# Altium PCB MB1397.PcbDoc (part 2 of 11) (continued)
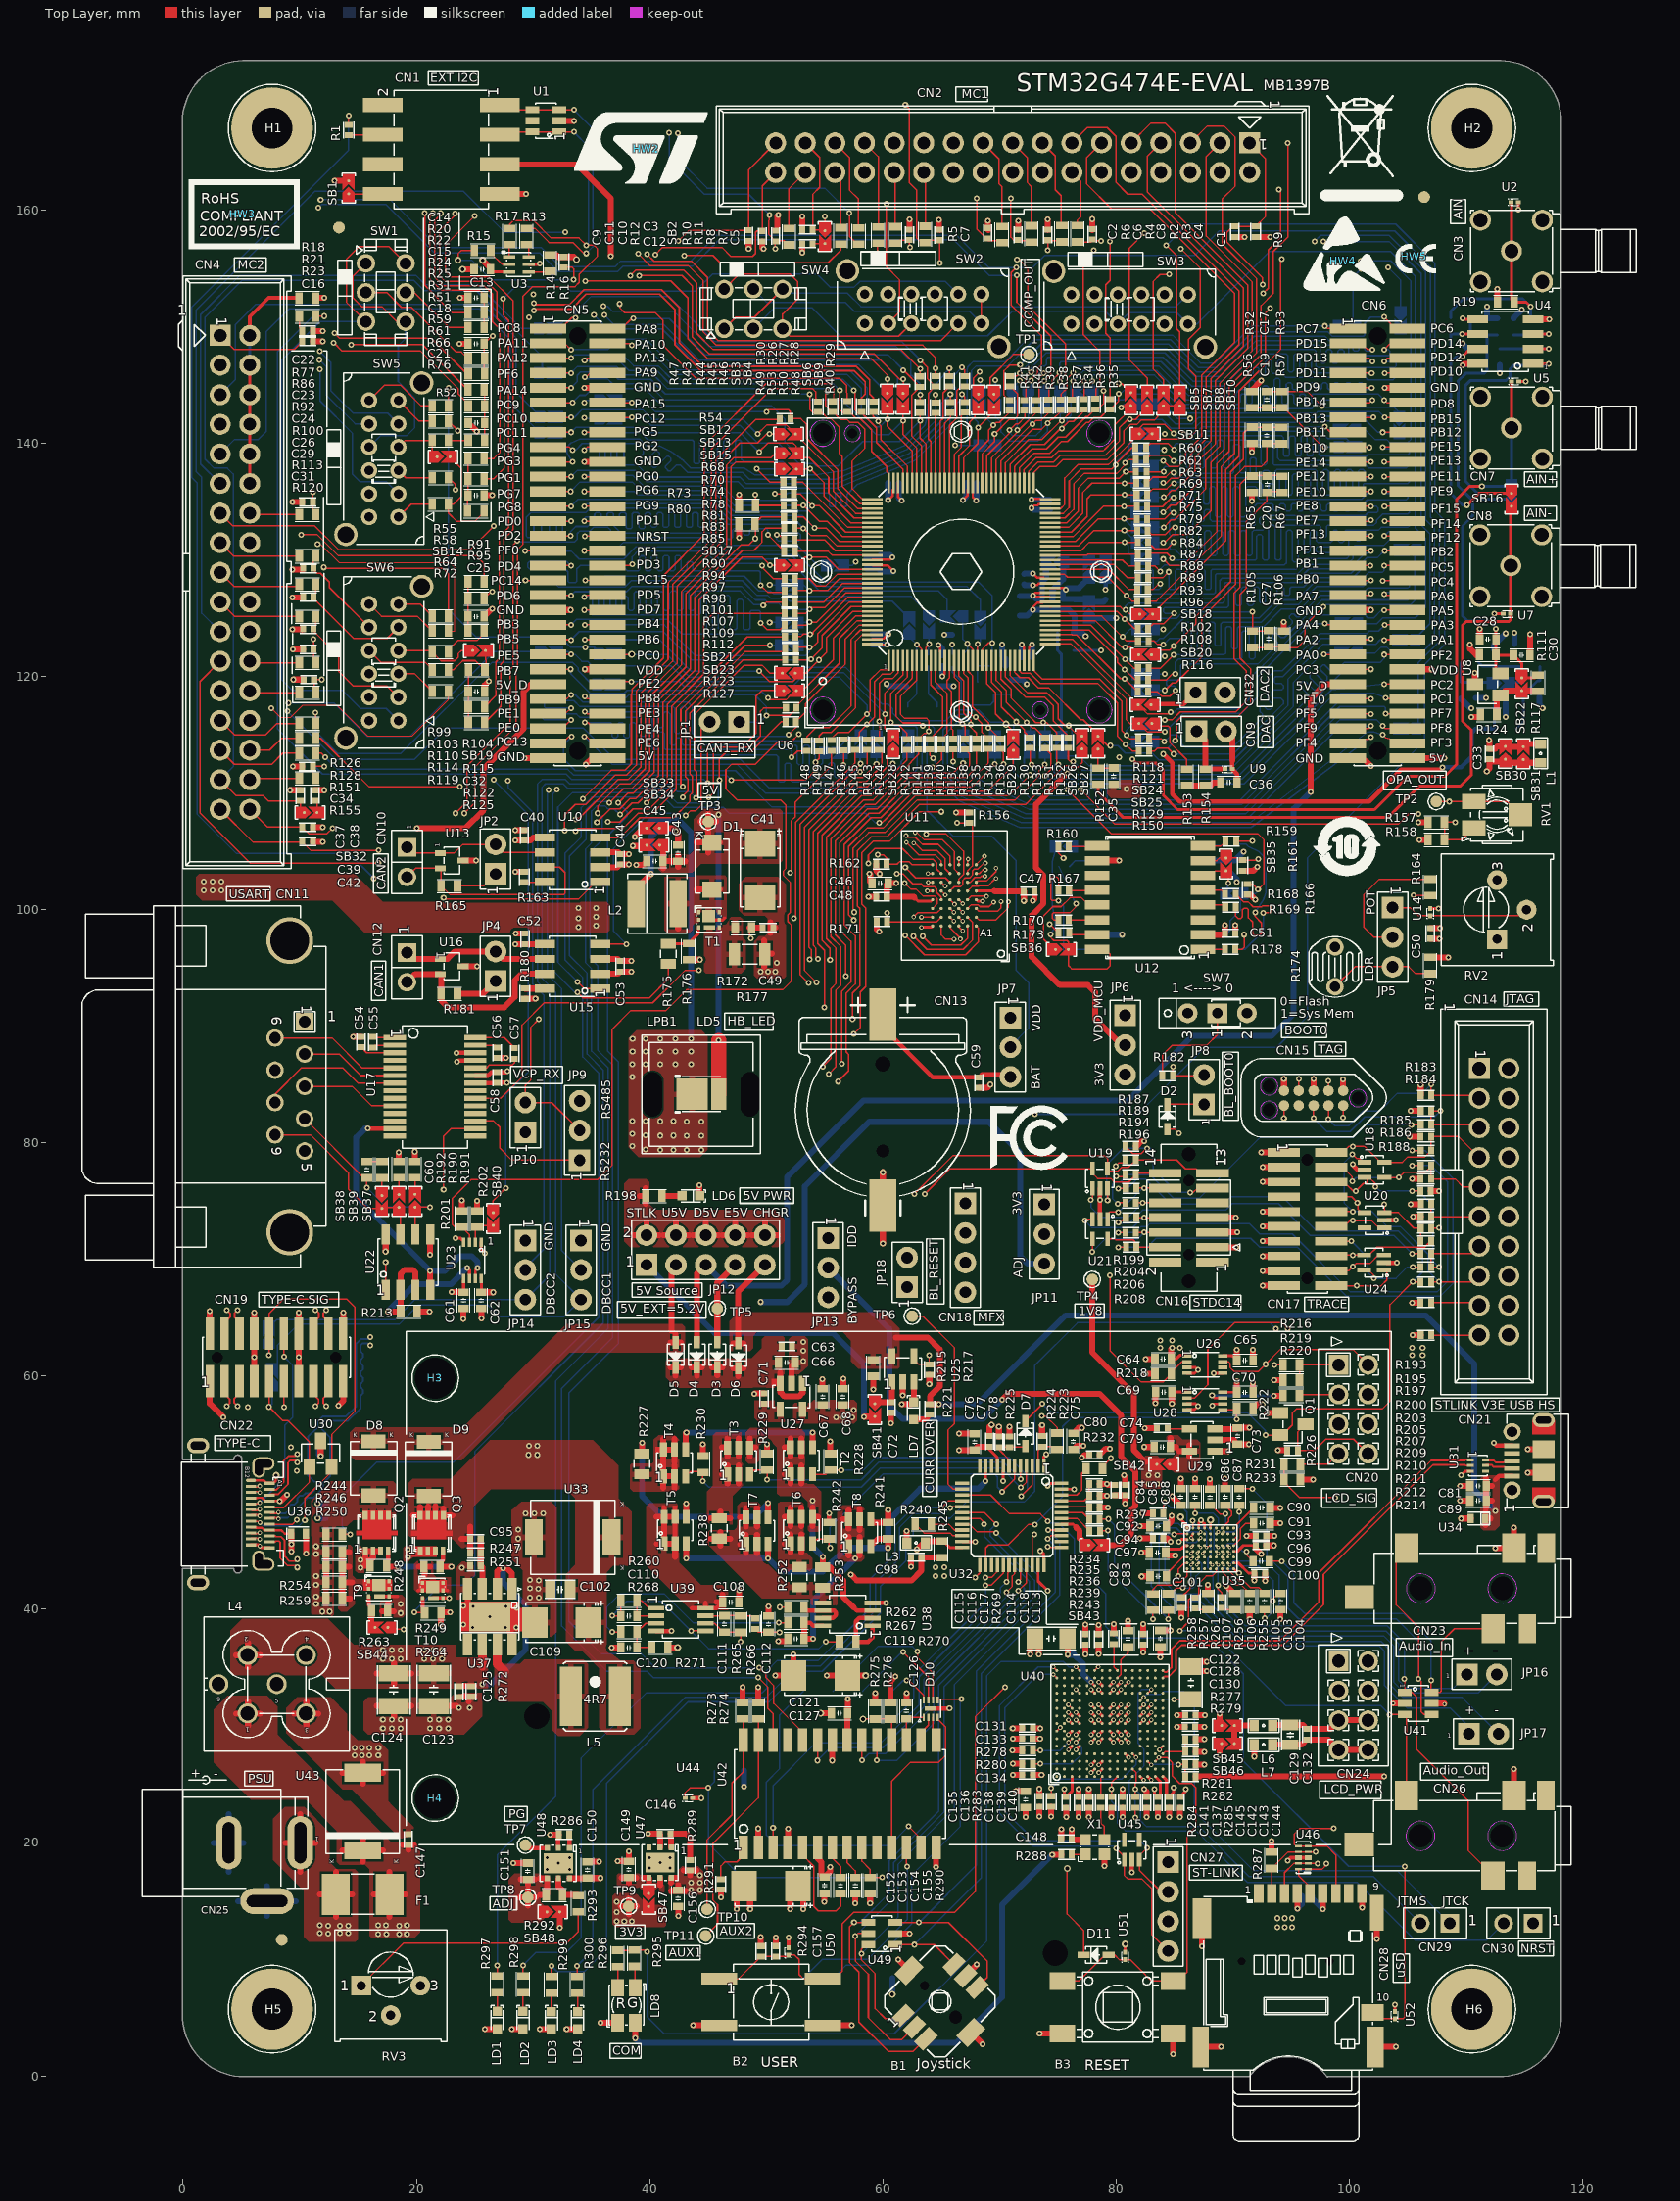
[diagram p0: Top Layer view]
## Footprints (in the part's own frame and the unit in brackets; to place one, negate y for a bottom-side part, rotate by r counter-clockwise, add the part's x,y. Pads: shape width x height; smd on the part's side, far side on the other; paste and mask are expansions set on the pad) (continued)
  silkscreen extent -6.35,-2.54 6.35,2.54, body extent -6.35,-2.54 6.35,2.55, height 8.38
CON_SOCKET-LCD_LYCN_216208S141 [mm]
  rect 1.7x1.7 hole 1.1 mask+0.05: 1(-3.81,-1.27)
  round 1.7 hole 1.1 mask+0.05: 2(-3.81,1.27) 3(-1.27,-1.27) 4(-1.27,1.27) 5(1.27,-1.27) 6(1.27,1.27) 7(3.81,-1.27) 8(3.81,1.27)
  silkscreen extent -6.2,-3 5.18,3, body extent -5.18,-3 5.18,3, height 7
CON_STDC14_Receiver_MEDIUM_WITH_MIPI10_3D [mm] "compatible with FTSH-105-01-L-DV,-K and FTSH-107-01-L-DV,-K,-A,-P,-ES"
  round 0 hole 1.19 unplated mask+0.05: 0(-5.445,0) 0(5.445,0)
  round 0 hole 0.97 unplated mask+0.05: 0(-3.175,0) 0(3.175,0)
  rect 0.74x2.79 smd mask+0.05: 1(-3.81,-2.032) 2(-3.81,2.032) 3(-2.54,-2.032) 4(-2.54,2.032) 5(-1.27,-2.032) 6(-1.27,2.032) 7(0,-2.032) 8(0,2.032) 9(1.27,-2.032) 10(1.27,2.032) 11(2.54,-2.032) 12(2.54,2.032) 13(3.81,-2.032) 14(3.81,2.032)
  silkscreen extent -6.3,-4.38 6.3,3.6, body extent -6.3,-2.92 6.3,2.92, height 6.6
CON_TAG-C_TC2050-IDC-NL [mm]
  round 0.9 smd paste+0 mask+0.05: 1(-2.54,-0.635) 2(-1.27,-0.635) 3(0,-0.635) 4(1.27,-0.635) 5(2.54,-0.635) 6(2.54,0.635) 7(1.27,0.635) 8(0,0.635) 9(-1.27,0.635) 10(-2.54,0.635)
  round 0 hole 1.1 unplated mask+0.05: 11(-3.81,0) 12(3.81,-1.015) 13(3.81,1.015)
  Multi-Layer keep-out circle w0.01: c-3.81,0 r0.75
  Multi-Layer keep-out circle w0.01: c3.81,1.015 r0.75
  Multi-Layer keep-out circle w0.01: c3.81,-1.015 r0.75
  silkscreen extent -6.22,-3.4 6.22,3.33, body extent -6.28,-3.46 6.28,3.39, height 13
CON_USB-TYPEC_LITKCONN-TECHNOLOGY_CNG008S130R [mm] "Doc Pin 1 = B12 et Doc Pin 13 = A1. The thickness of the pcb must be 0.8mm"
  rect 0.3x0.85 smd mask+0.05: A1(-2.645,7.58) A12(2.895,7.58) B1(2.645,5.98)
  rect 0.25x0.85 smd mask+0.05: A2(-2.125,7.58) A3(-1.625,7.58) A4(-1.125,7.58) A5(-0.625,7.58) A6(-0.125,7.58) A7(0.375,7.58) A8(0.875,7.58) A9(1.375,7.58) A10(1.875,7.58) A11(2.375,7.58) B2(2.125,5.98) B3(1.625,5.98) B4(1.125,5.98) B5(0.625,5.98) B6(0.125,5.98) B7(-0.375,5.98) B8(-0.875,5.98) B9(-1.375,5.98) B10(-1.875,5.98) B11(-2.375,5.98)
  oval 0.3x0.85 smd mask+0.05: B12(-2.895,5.98)
  oval 1.3x1.9 hole 0.7 slot 1.3 at 90 deg mask+0.05: PTH1(-5.875,1.45) PTH2(5.875,1.45)
  oval 1.1x1.9 hole 0.7 slot 1.5 at 90 deg mask+0.05: PTH3(-4.32,7.05) PTH5(4.32,7.05)
  oval 1.75x1.1 hole 0.7 slot 1.35 at 0 deg mask+0.05: PTH4(-3.995,6.65) PTH6(3.995,6.65)
  silkscreen extent -5.18,0 5.18,8.75, body extent -5.97,0 5.97,8.75, height 2.33
CON_USBMICROB_MOLEX_105017-0001_H2P90 [mm]
  rect 0.4x1.35 smd mask+0.05: 1(-1.3,4.15) 2(-0.65,4.15) 3(0,4.15) 4(0.65,4.15) 5(1.3,4.15)
  round 1.5 hole 0.9 mask+0.05: 6(-2.5,4.15) 7(2.5,4.15)
  oval 1.2x1.9 hole 0.6 slot 1.3 at 90 deg mask+0.05: 8(3.5,1.45) 9(-3.5,1.45)
  rect 1.5x1.9 smd mask+0.05: 10(-1,1.45) 11(1,1.45)
  Top Layer region: 2.3,2.4 3.5,2.4 3.5,0.5 2.3,0.5 2.3,2.4
  Top Layer region: -3.5,2.4 -2.3,2.4 -2.3,0.5 -3.5,0.5 -3.5,2.4
  silkscreen extent -4,-0.7 4,4.6, body extent -4.1,-1.15 4.1,4.66, height 2.9
CPOL_TAJ-C_2312_H2P6 [mm]
  rect 2.2x2.6 smd mask+0.05: 1(-2.3,0) 2(2.3,0)
  silkscreen extent -3.6,-1.85 3.1,1.85, body extent -3.1,-1.7 3.1,1.7, height 2.8
CRY_NX2016SA_4P [mm]
  rect 0.85x0.75 smd mask+0.05: 1(-0.675,-0.525) 2(0.675,-0.525) 3(0.675,0.525) 4(-0.675,0.525)
  silkscreen extent -1.22,-1.02 1.05,0.85, body extent -1.05,-0.85 1.05,0.85, height 0.7
CRY_NX3215SA_2P [mm]
  rect 1x1.8 smd mask+0.05: 1(-1.25,0) 2(1.25,0)
  silkscreen extent -0.63,-0.8 0.63,0.8, body extent -1.65,-0.8 1.65,0.8, height 0.9
DIO_SMA_1A_2K [mm]
  rect 1.4x1.64 smd mask+0.05: 1(2.015,0) 2(-2.015,0)
  silkscreen extent -2.3,-1.45 2.3,1.45, body extent -2.75,-1.45 2.75,1.45, height 2.7
DIO_SMB-FLAT_1A_2K [mm]
  rect 1.2x2.07 smd mask+0.05: 1(2.32,0) 2(-2.32,0)
  silkscreen extent -2.3,-2 2.3,2, body extent -2.3,-2 2.3,2, height 1.11
DIO_SMC_DO214-AB_1K_2A [mm]
  rect 1.54x3.14 smd mask+0.05: 1(-3.325,0) 2(3.325,0)
  silkscreen extent -3.6,-3.15 3.6,3.15, body extent -4.06,-3.15 4.07,3.15, height 2.66
DIO_SOD323 [mm]
  rect 1.06x0.54 smd mask+0.05: 1(-1.07,0) 2(1.07,0)
  silkscreen extent -0.9,-0.72 0.9,0.72, body extent -1.3,-0.78 1.3,0.78, height 1.17
DIO_SOT323 [mm]
  rect 0.5x0.95 smd mask+0.05: 1(-0.65,-0.975) 2(0.65,-0.975) 3(0,0.975)
  silkscreen extent -1.15,-0.67 1.15,0.67, body extent -1.15,-1.12 1.15,1.12, height 1.1
ESD_QFN2_1P6X1_P125 [mm]
  rect 0.55x0.8 smd mask+0.05: 1(-0.625,0) 2(0.625,0)
  silkscreen extent -1,-0.55 0.85,0.55, body extent -0.85,-0.55 0.85,0.55, height 0.61
ESD_QFN1610_2N_1K_2A [mm] "DFN, 2-Leads, Body 1.60x1.00mm"
  rect 0.55x0.9 smd mask+0.05: 1(-0.625,0) 2(0.625,0)
  silkscreen extent -1.02,-0.58 0.85,0.58, body extent -0.85,-0.55 0.85,0.55, height 0.6
ESD_QFN-6L_1P7X1P5_P050 [mm]
  rect 0.25x0.6 smd mask+0.05: 1(-0.5,-0.65) 2(0,-0.65) 3(0.5,-0.65) 4(0.5,0.65) 5(0,0.65) 6(-0.5,0.65)
  silkscreen extent -0.9,-0.8 0.9,0.8, body extent -0.9,-0.8 0.9,0.8, height 0.56
ESD_SOT23 [mm]
  rect 1x1.4 smd mask+0.05: 1(-0.95,-1.1) 2(0.95,-1.1) 3(0,1.1)
  silkscreen extent -1.63,-0.82 1.63,0.82, body extent -1.56,-1.5 1.56,1.5, height 1.4
ESD_SOT23-6L [mm]
  rect 0.6x1.2 smd mask+0.05: 1(-0.95,-1.15) 2(0,-1.15) 3(0.95,-1.15) 4(0.95,1.15) 5(0,1.15) 6(-0.95,1.15)
  silkscreen extent -1.53,-0.87 1.53,0.87, body extent -1.52,-1.5 1.52,1.5, height 1.45
ESD_SOT323-5L [mm]
  rect 0.4x1.2 smd mask+0.05: 1(-0.65,-0.85) 2(0,-0.85) 3(0.65,-0.85) 4(0.65,0.85) 5(-0.65,0.85)
  silkscreen extent -1.22,-1.21 1.22,0.77, body extent -1.15,-1.05 1.15,1.05, height 1.1
ESD_ST0201 [mm]
  rect 0.425x0.33 smd mask+0.05: 1(-0.312,0) 2(0.312,0)
  silkscreen extent -0.55,-0.3 0.33,0.3, body extent -0.34,-0.18 0.34,0.18, height 0.34
ESD_UQFN8-EPAD_1P7X1P5_P040 [mm]
  rect 0.2x0.6 smd mask+0.05: 1(-0.6,-0.75) 2(-0.2,-0.75) 3(0.2,-0.75) 4(0.6,-0.75) 5(0.6,0.75) 6(0.2,0.75) 7(-0.2,0.75) 8(-0.6,0.75)
  rect 1x0.4 smd mask+0.05: 9(0,0)
  silkscreen extent -1.07,-1.12 0.85,0.75, body extent -0.85,-0.75 0.85,0.75, height 0.61
ESD_UQFN-10L_2P5X1_P050 [mm]
  rect 0.2x0.58 smd mask+0.05: 1(-1,-0.41) 2(-0.5,-0.41) 4(0.5,-0.41) 5(1,-0.41) 6(1,0.41) 7(0.5,0.41) 9(-0.5,0.41) 10(-1,0.41)
  rect 0.4x0.58 smd mask+0.05: 3(0,-0.41) 8(0,0.41)
  silkscreen extent -1.38,-0.63 1.38,0.63, body extent -1.3,-0.55 1.3,0.55, height 0.51
FIL_MURATA_BNX002-01 [mm]
  round 1.7 hole 1.2 mask+0.05: 1(2.5,2.5) 2(2.5,-2.5) 3(-2.5,2.5) 4(-2.5,-2.5) 5(0,0) 6(5,0)
  silkscreen extent -6.24,-5.75 6.26,5.75, body extent -6.25,-5.75 6.25,5.75, height 13
ICC_DFN6-EPAD_3X3_P095 [mm]
  rect 0.45x0.5 smd mask+0.05: 1(-0.95,-1.3) 2(0,-1.3) 3(0.95,-1.3) 4(0.95,1.3) 5(0,1.3) 6(-0.95,1.3)
  rect 2.5x1.7 smd mask+0.05: EP(0,0)
  silkscreen extent -1.55,-1.55 1.55,1.55, body extent -1.55,-1.55 1.55,1.55, height 1
ICC_HSOP8-EPAD_3P90X4P90_P127 [mm]
  rect 1.85x0.8 smd mask+0.05: 1(-2.375,1.905) 2(-2.375,0.635) 3(-2.375,-0.635) 4(-2.375,-1.905) 5(2.375,-1.905) 6(2.375,-0.635) 7(2.375,0.635) 8(2.375,1.905)
  rect 2.5x3.5 smd mask+0.05: 9(0,0)
  silkscreen extent -2.5,-2.5 2,2.7, body extent -3.1,-2.5 3.1,2.5, height 1.75
ICC_LQFP48_7X7_P050 [mm]
  rect 0.3x1.2 smd mask+0.05: 1(-2.75,-4.25) 2(-2.25,-4.25) 3(-1.75,-4.25) 4(-1.25,-4.25) 5(-0.75,-4.25) 6(-0.25,-4.25) 7(0.25,-4.25) 8(0.75,-4.25) 9(1.25,-4.25) 10(1.75,-4.25) 11(2.25,-4.25) 12(2.75,-4.25) 25(2.75,4.25) 26(2.25,4.25) 27(1.75,4.25) 28(1.25,4.25) 29(0.75,4.25) 30(0.25,4.25) 31(-0.25,4.25) 32(-0.75,4.25) 33(-1.25,4.25) 34(-1.75,4.25) 35(-2.25,4.25) 36(-2.75,4.25)
  rect 1.2x0.3 smd mask+0.05: 13(4.25,-2.75) 14(4.25,-2.25) 15(4.25,-1.75) 16(4.25,-1.25) 17(4.25,-0.75) 18(4.25,-0.25) 19(4.25,0.25) 20(4.25,0.75) 21(4.25,1.25) 22(4.25,1.75) 23(4.25,2.25) 24(4.25,2.75) 37(-4.25,2.75) 38(-4.25,2.25) 39(-4.25,1.75) 40(-4.25,1.25) 41(-4.25,0.75) 42(-4.25,0.25) 43(-4.25,-0.25) 44(-4.25,-0.75) 45(-4.25,-1.25) 46(-4.25,-1.75) 47(-4.25,-2.25) 48(-4.25,-2.75)
  silkscreen extent -3.52,-3.52 3.52,3.52, body extent -4.5,-4.5 4.5,4.5, height 1.6
ICC_LQFP128_14X14_P040_SOCKET_IRONWOOD_SG-QFE-7011MF [mm]
  rect 1.78x0.225 smd mask+0.038: 1(-7.62,6.2) 2(-7.62,5.8) 3(-7.62,5.4) 4(-7.62,5) 5(-7.62,4.6) 6(-7.62,4.2) 7(-7.62,3.8) 8(-7.62,3.4) 9(-7.62,3) 10(-7.62,2.6) 11(-7.62,2.2) 12(-7.62,1.8) 13(-7.62,1.4) 14(-7.62,1) 15(-7.62,0.6) 16(-7.62,0.2) 17(-7.62,-0.2) 18(-7.62,-0.6) 19(-7.62,-1) 20(-7.62,-1.4) 21(-7.62,-1.8) 22(-7.62,-2.2) 23(-7.62,-2.6) 24(-7.62,-3) 25(-7.62,-3.4) 26(-7.62,-3.8) 27(-7.62,-4.2) 28(-7.62,-4.6) 29(-7.62,-5) 30(-7.62,-5.4) 31(-7.62,-5.8) 32(-7.62,-6.2) 65(7.62,-6.2) 66(7.62,-5.8) 67(7.62,-5.4) 68(7.62,-5) 69(7.62,-4.6) 70(7.62,-4.2) 71(7.62,-3.8) 72(7.62,-3.4) 73(7.62,-3) 74(7.62,-2.6) 75(7.62,-2.2) 76(7.62,-1.8) 77(7.62,-1.4) 78(7.62,-1) 79(7.62,-0.6) 80(7.62,-0.2) 81(7.62,0.2) 82(7.62,0.6) 83(7.62,1) 84(7.62,1.4) 85(7.62,1.8) 86(7.62,2.2) 87(7.62,2.6) 88(7.62,3) 89(7.62,3.4) 90(7.62,3.8) 91(7.62,4.2) 92(7.62,4.6) 93(7.62,5) 94(7.62,5.4) 95(7.62,5.8) 96(7.62,6.2)
  rect 0.225x1.78 smd mask+0.038: 33(-6.2,-7.62) 34(-5.8,-7.62) 35(-5.4,-7.62) 36(-5,-7.62) 37(-4.6,-7.62) 38(-4.2,-7.62) 39(-3.8,-7.62) 40(-3.4,-7.62) 41(-3,-7.62) 42(-2.6,-7.62) 43(-2.2,-7.62) 44(-1.8,-7.62) 45(-1.4,-7.62) 46(-1,-7.62) 47(-0.6,-7.62) 48(-0.2,-7.62) 49(0.2,-7.62) 50(0.6,-7.62) 51(1,-7.62) 52(1.4,-7.62) 53(1.8,-7.62) 54(2.2,-7.62) 55(2.6,-7.62) 56(3,-7.62) 57(3.4,-7.62) 58(3.8,-7.62) 59(4.2,-7.62) 60(4.6,-7.62) 61(5,-7.62) 62(5.4,-7.62) 63(5.8,-7.62) 64(6.2,-7.62) 97(6.2,7.62) 98(5.8,7.62) 99(5.4,7.62) 100(5,7.62) 101(4.6,7.62) 102(4.2,7.62) 103(3.8,7.62) 104(3.4,7.62) 105(3,7.62) 106(2.6,7.62) 107(2.2,7.62) 108(1.8,7.62) 109(1.4,7.62) 110(1,7.62) 111(0.6,7.62) 112(0.2,7.62) 113(-0.2,7.62) 114(-0.6,7.62) 115(-1,7.62) 116(-1.4,7.62) 117(-1.8,7.62) 118(-2.2,7.62) 119(-2.6,7.62) 120(-3,7.62) 121(-3.4,7.62) 122(-3.8,7.62) 123(-4.2,7.62) 124(-4.6,7.62) 125(-5,7.62) 126(-5.4,7.62) 127(-5.8,7.62) 128(-6.2,7.62)
  round 0 hole 1.71 unplated mask+0.05: NPTH1(-11.86,11.86) NPTH2(11.86,11.86) NPTH3(11.86,-11.86) NPTH4(-11.86,-11.86)
  round 0 hole 0.85 unplated mask+0.05: NPTH5(-11.86,-6.78) NPTH6(11.86,9.32)
  Bottom Layer keep-out circle w0.01: c-11.86,11.86 r2.5
  Bottom Layer keep-out circle w0.01: c11.865,11.86 r2.5
  Bottom Layer keep-out circle w0.01: c11.86,-11.86 r2.5
  Bottom Layer keep-out circle w0.01: c-11.86,-11.86 r2.5
  Keep-Out Layer circle w0.01: c11.86,9.32 r0.7
  Keep-Out Layer circle w0.01: c-11.86,11.86 r1.1
  Keep-Out Layer circle w0.01: c11.86,11.86 r1.1
  Keep-Out Layer circle w0.01: c11.86,-11.86 r1.1
  Keep-Out Layer circle w0.01: c-11.86,-11.86 r1.1
  Keep-Out Layer circle w0.01: c-11.86,-6.78 r0.7
  silkscreen extent -13.18,-13.18 13.18,13.18, body extent -14.36,-14.36 14.36,14.36, height 9.86
ICC_MINI-BGA48_9X11_P075 [mm] "IPC"
  round 0.28 smd mask+0.05: A1(-1.875,2.625) A2(-1.125,2.625) A3(-0.375,2.625) A4(0.375,2.625) A5(1.125,2.625) A6(1.875,2.625) B1(-1.875,1.875) B2(-1.125,1.875) B3(-0.375,1.875) B4(0.375,1.875) B5(1.125,1.875) B6(1.875,1.875) C1(-1.875,1.125) C2(-1.125,1.125) C3(-0.375,1.125) C4(0.375,1.125) C5(1.125,1.125) C6(1.875,1.125) D1(-1.875,0.375) D2(-1.125,0.375) D3(-0.375,0.375) D4(0.375,0.375) D5(1.125,0.375) D6(1.875,0.375) E1(-1.875,-0.375) E2(-1.125,-0.375) E3(-0.375,-0.375) E4(0.375,-0.375) E5(1.125,-0.375) E6(1.875,-0.375) F1(-1.875,-1.125) F2(-1.125,-1.125) F3(-0.375,-1.125) F4(0.375,-1.125) F5(1.125,-1.125) F6(1.875,-1.125) G1(-1.875,-1.875) G2(-1.125,-1.875) G3(-0.375,-1.875) G4(0.375,-1.875) G5(1.125,-1.875) G6(1.875,-1.875) H1(-1.875,-2.625) H2(-1.125,-2.625) H3(-0.375,-2.625) H4(0.375,-2.625) H5(1.125,-2.625) H6(1.875,-2.625)
  silkscreen extent -4.7,-5.55 4.55,5.7, body extent -4.55,-5.55 4.55,5.55, height 1.21
ICC_MINISO8_3X3_P065 [mm]
  rect 0.4x1.4 smd mask+0.05: 1(0.975,2.125) 2(0.325,2.125) 3(-0.325,2.125) 4(-0.975,2.125) 5(-0.975,-2.125) 6(-0.325,-2.125) 7(0.325,-2.125) 8(0.975,-2.125)
  silkscreen extent -1.6,-1.55 1.6,1.55, body extent -1.6,-2.58 1.6,2.58, height 1.11
ICC_SO8_5X4_P127 [mm]
  rect 0.7x1.75 smd mask+0.05: 1(-1.905,-2.375) 2(-0.635,-2.375) 3(0.635,-2.375) 4(1.905,-2.375) 5(1.905,2.375) 6(0.635,2.375) 7(-0.635,2.375) 8(-1.905,2.375)
  silkscreen extent -2.58,-2 2.58,2, body extent -2.57,-3 2.57,3, height 1.75
ICC_SO28_18P10X7P60_P127 [mm]
  rect 0.8x2.02 smd mask+0.05: 1(-8.255,-4.59) 2(-6.985,-4.59) 3(-5.715,-4.59) 4(-4.445,-4.59) 5(-3.175,-4.59) 6(-1.905,-4.59) 7(-0.635,-4.59) 8(0.635,-4.59) 9(1.905,-4.59) 10(3.175,-4.59) 11(4.445,-4.59) 12(5.715,-4.59) 13(6.985,-4.59) 14(8.255,-4.59) 15(8.255,4.59) 16(6.985,4.59) 17(5.715,4.59) 18(4.445,4.59) 19(3.175,4.59) 20(1.905,4.59) 21(0.635,4.59) 22(-0.635,4.59) 23(-1.905,4.59) 24(-3.175,4.59) 25(-4.445,4.59) 26(-5.715,4.59) 27(-6.985,4.59) 28(-8.255,4.59)
  silkscreen extent -9.05,-3.8 9.05,3.8, body extent -9.05,-5.16 9.05,5.16, height 2.65
ICC_SOP2-SF_16P_10P3X7P5_P127 [mm]
  rect 0.8x2.1 smd mask+0.05: 1(-4.445,-4.55) 2(-3.175,-4.55) 3(-1.905,-4.55) 4(-0.635,-4.55) 5(0.635,-4.55) 6(1.905,-4.55) 7(3.175,-4.55) 8(4.445,-4.55) 9(4.445,4.55) 10(3.175,4.55) 11(1.905,4.55) 12(0.635,4.55) 13(-0.635,4.55) 14(-1.905,4.55) 15(-3.175,4.55) 16(-4.445,4.55)
  silkscreen extent -5.25,-3.8 5.25,3.8, body extent -5.25,-5.35 5.25,5.35, height 2.66
ICC_SOT23-3L_H1P12 [mm]
  rect 1x1.4 smd mask+0.05: 1(-0.95,-1.1) 2(0.95,-1.1) 3(0,1.1)
  silkscreen extent -1.63,-0.82 1.63,0.82, body extent -1.56,-1.25 1.56,1.25, height 1.12
ICC_SOT23-5L_H1P45 [mm]
  rect 0.6x1.3 smd mask+0.05: 1(-0.95,-1.1) 2(0,-1.1) 3(0.95,-1.1) 4(0.95,1.1) 5(-0.95,1.1)
  silkscreen extent -1.75,-1.68 1.6,0.97, body extent -1.52,-1.25 1.52,1.25, height 1.45
ICC_SSOP28_10P2X5P3_P065 [mm]
  rect 0.45x1.9 smd mask+0.05: 1(-4.225,-3.45) 2(-3.575,-3.45) 3(-2.925,-3.45) 4(-2.275,-3.45) 5(-1.625,-3.45) 6(-0.975,-3.45) 7(-0.325,-3.45) 8(0.325,-3.45) 9(0.975,-3.45) 10(1.625,-3.45) 11(2.275,-3.45) 12(2.925,-3.45) 13(3.575,-3.45) 14(4.225,-3.45) 15(4.225,3.45) 16(3.575,3.45) 17(2.925,3.45) 18(2.275,3.45) 19(1.625,3.45) 20(0.975,3.45) 21(0.325,3.45) 22(-0.325,3.45) 23(-0.975,3.45) 24(-1.625,3.45) 25(-2.275,3.45) 26(-2.925,3.45) 27(-3.575,3.45) 28(-4.225,3.45)
  silkscreen extent -5.25,-2.8 5.25,2.8, body extent -5.25,-3.9 5.25,3.9, height 2
ICC_UDFN6_2X2_P065 [mm] "MCD-01551"
  rect 0.3x1.05 smd mask+0.05: 1(-0.65,-0.85) 2(0,-0.85) 3(0.65,-0.85) 4(0.65,0.85) 5(0,0.85) 6(-0.65,0.85)
  silkscreen extent -1.15,-1.45 1.02,1.02, body extent -1.03,-1.03 1.02,1.02, height 0.56
ICC_UFBGA201_176+25_10X10_P065 [mm] "IPC"
  round 0.25 smd mask+0.05: A1(-4.55,4.55) A2(-3.9,4.55) A3(-3.25,4.55) A4(-2.6,4.55) A5(-1.95,4.55) A6(-1.3,4.55) A7(-0.65,4.55) A8(0,4.55) A9(0.65,4.55) A10(1.3,4.55) A11(1.95,4.55) A12(2.6,4.55) A13(3.25,4.55) A14(3.9,4.55) A15(4.55,4.55) B1(-4.55,3.9) B2(-3.9,3.9) B3(-3.25,3.9) B4(-2.6,3.9) B5(-1.95,3.9) B6(-1.3,3.9) B7(-0.65,3.9) B8(0,3.9) B9(0.65,3.9) B10(1.3,3.9) B11(1.95,3.9) B12(2.6,3.9) B13(3.25,3.9) B14(3.9,3.9) B15(4.55,3.9) C1(-4.55,3.25) C2(-3.9,3.25) C3(-3.25,3.25) C4(-2.6,3.25) C5(-1.95,3.25) C6(-1.3,3.25) C7(-0.65,3.25) C8(0,3.25) C9(0.65,3.25) C10(1.3,3.25) C11(1.95,3.25) C12(2.6,3.25) C13(3.25,3.25) C14(3.9,3.25) C15(4.55,3.25) D1(-4.55,2.6) D2(-3.9,2.6) D3(-3.25,2.6) D4(-2.6,2.6) D5(-1.95,2.6) D6(-1.3,2.6) D7(-0.65,2.6) D8(0,2.6) D9(0.65,2.6) D10(1.3,2.6) D11(1.95,2.6) D12(2.6,2.6) D13(3.25,2.6) D14(3.9,2.6) D15(4.55,2.6) E1(-4.55,1.95) E2(-3.9,1.95) E3(-3.25,1.95) E4(-2.6,1.95) E12(2.6,1.95) E13(3.25,1.95) E14(3.9,1.95) E15(4.55,1.95) F1(-4.55,1.3) F2(-3.9,1.3) F3(-3.25,1.3) F4(-2.6,1.3) F6(-1.3,1.3) F7(-0.65,1.3) F8(0,1.3) F9(0.65,1.3) F10(1.3,1.3) F12(2.6,1.3) F13(3.25,1.3) F14(3.9,1.3) F15(4.55,1.3) G1(-4.55,0.65) G2(-3.9,0.65) G3(-3.25,0.65) G4(-2.6,0.65) G6(-1.3,0.65) G7(-0.65,0.65) G8(0,0.65) G9(0.65,0.65) G10(1.3,0.65) G12(2.6,0.65) G13(3.25,0.65) G14(3.9,0.65) G15(4.55,0.65) H1(-4.55,0) H2(-3.9,0) H3(-3.25,0) H4(-2.6,0) H6(-1.3,0) H7(-0.65,0) H8(0,0) H9(0.65,0) H10(1.3,0) H12(2.6,0) H13(3.25,0) H14(3.9,0) H15(4.55,0) J1(-4.55,-0.65) J2(-3.9,-0.65) J3(-3.25,-0.65) J4(-2.6,-0.65) J6(-1.3,-0.65) J7(-0.65,-0.65) J8(0,-0.65) J9(0.65,-0.65) J10(1.3,-0.65) J12(2.6,-0.65) J13(3.25,-0.65) J14(3.9,-0.65) J15(4.55,-0.65) K1(-4.55,-1.3) K2(-3.9,-1.3) K3(-3.25,-1.3) K4(-2.6,-1.3) K6(-1.3,-1.3) K7(-0.65,-1.3) K8(0,-1.3) K9(0.65,-1.3) K10(1.3,-1.3) K12(2.6,-1.3) K13(3.25,-1.3) K14(3.9,-1.3) K15(4.55,-1.3) L1(-4.55,-1.95) L2(-3.9,-1.95) L3(-3.25,-1.95) L4(-2.6,-1.95) L12(2.6,-1.95) L13(3.25,-1.95) L14(3.9,-1.95) L15(4.55,-1.95) M1(-4.55,-2.6) M2(-3.9,-2.6) M3(-3.25,-2.6) M4(-2.6,-2.6) M5(-1.95,-2.6) M6(-1.3,-2.6) M7(-0.65,-2.6) M8(0,-2.6) M9(0.65,-2.6) M10(1.3,-2.6) M11(1.95,-2.6) M12(2.6,-2.6) M13(3.25,-2.6) M14(3.9,-2.6) M15(4.55,-2.6) N1(-4.55,-3.25) N2(-3.9,-3.25) N3(-3.25,-3.25) N4(-2.6,-3.25) N5(-1.95,-3.25) N6(-1.3,-3.25) N7(-0.65,-3.25) N8(0,-3.25) N9(0.65,-3.25) N10(1.3,-3.25) N11(1.95,-3.25) N12(2.6,-3.25) N13(3.25,-3.25) N14(3.9,-3.25) N15(4.55,-3.25) P1(-4.55,-3.9) P2(-3.9,-3.9) P3(-3.25,-3.9) P4(-2.6,-3.9) P5(-1.95,-3.9) P6(-1.3,-3.9) P7(-0.65,-3.9) P8(0,-3.9) P9(0.65,-3.9) P10(1.3,-3.9) P11(1.95,-3.9) P12(2.6,-3.9) P13(3.25,-3.9) P14(3.9,-3.9) P15(4.55,-3.9) R1(-4.55,-4.55) R2(-3.9,-4.55) R3(-3.25,-4.55) R4(-2.6,-4.55) R5(-1.95,-4.55) R6(-1.3,-4.55) R7(-0.65,-4.55) R8(0,-4.55) R9(0.65,-4.55) R10(1.3,-4.55) R11(1.95,-4.55) R12(2.6,-4.55) R13(3.25,-4.55) R14(3.9,-4.55) R15(4.55,-4.55)
  silkscreen extent -5.22,-5.07 5.07,5.23, body extent -5.07,-5.07 5.07,5.07, height 0.61
ICC_VSSOP8_DCU_R-PDSO-G8_2X2P30_P050 [mm]
  rect 0.3x0.8 smd mask+0.05: 1(-0.75,-1.55) 2(-0.25,-1.55) 3(0.25,-1.55) 4(0.75,-1.55) 5(0.75,1.55) 6(0.25,1.55) 7(-0.25,1.55) 8(-0.75,1.55)
  silkscreen extent -1.05,-1.2 1.05,1.2, body extent -1.05,-1.62 1.05,1.62, height 0.9
ICC_W-CSP-BGA72_4P511X4P023_P050 [mm]
  round 0.25 smd mask+0.05: A1(-2,1.75) A2(-1.5,1.75) A3(-1,1.75) A4(-0.5,1.75) A5(0,1.75) A6(0.5,1.75) A7(1,1.75) A8(1.5,1.75) A9(2,1.75) B1(-2,1.25) B2(-1.5,1.25) B3(-1,1.25) B4(-0.5,1.25) B5(0,1.25) B6(0.5,1.25) B7(1,1.25) B8(1.5,1.25) B9(2,1.25) C1(-2,0.75) C2(-1.5,0.75) C3(-1,0.75) C4(-0.5,0.75) C5(0,0.75) C6(0.5,0.75) C7(1,0.75) C8(1.5,0.75) C9(2,0.75) D1(-2,0.25) D2(-1.5,0.25) D3(-1,0.25) D4(-0.5,0.25) D5(0,0.25) D6(0.5,0.25) D7(1,0.25) D8(1.5,0.25) D9(2,0.25) E1(-2,-0.25) E2(-1.5,-0.25) E3(-1,-0.25) E4(-0.5,-0.25) E5(0,-0.25) E6(0.5,-0.25) E7(1,-0.25) E8(1.5,-0.25) E9(2,-0.25) F1(-2,-0.75) F2(-1.5,-0.75) F3(-1,-0.75) F4(-0.5,-0.75) F5(0,-0.75) F6(0.5,-0.75) F7(1,-0.75) F8(1.5,-0.75) F9(2,-0.75) G1(-2,-1.25) G2(-1.5,-1.25) G3(-1,-1.25) G4(-0.5,-1.25) G5(0,-1.25) G6(0.5,-1.25) G7(1,-1.25) G8(1.5,-1.25) G9(2,-1.25) H1(-2,-1.75) H2(-1.5,-1.75) H3(-1,-1.75) H4(-0.5,-1.75) H5(0,-1.75) H6(0.5,-1.75) H7(1,-1.75) H8(1.5,-1.75) H9(2,-1.75)
  silkscreen extent -2.42,-2.03 2.28,2.17, body extent -2.28,-2.04 2.28,2.04, height 0.78
IND_POWER_CYNTEC_PSI054T [mm]
  rect 1.5x4 smd mask+0.05: 1(-1.8,0) 2(1.8,0)
  silkscreen extent -2.55,-2.55 2.55,2.55, body extent -2.55,-2.55 2.55,2.55, height 4
IND_TDK_VLS6045EX-4R7M [mm]
  rect 1.9x5.1 smd mask+0.05: 1(-2.1,0) 2(2.1,0)
  silkscreen extent -2.75,-3 2.75,3, body extent -3,-3 3,3, height 4.51
L0603 [mm]
  rect 0.8x0.95 smd mask+0.05: 1(-0.8,0) 2(0.8,0)
  silkscreen extent -1.33,-0.6 1.33,0.6, body extent -0.87,-0.47 0.87,0.47, height 0.95
LED_0603_OSRAM_LB-Q39G-L2OO-35-1_BLUE_1A2K_H0P4 [mm]
  rect 0.8x0.8 smd mask+0.05: 1(-0.75,0) 2(0.75,0)
  silkscreen extent -0.85,-0.53 1.28,0.53, body extent -0.85,-0.45 0.85,0.45, height 0.6
LED_0603_OSRAM_LG-Q396-PS-35_GREEN_1A2K_H0P4 [mm]
  rect 0.8x0.8 smd mask+0.05: 1(-0.75,0) 2(0.75,0)
  silkscreen extent -0.85,-0.53 1.28,0.53, body extent -0.85,-0.45 0.85,0.45, height 0.6
LED_0603_OSRAM_LO-Q976-PS-25_ORANGE_1A2K_H0P8 [mm]
  rect 0.8x0.8 smd mask+0.05: 1(-0.75,0) 2(0.75,0)
  silkscreen extent -0.85,-0.53 1.28,0.53, body extent -0.85,-0.45 0.85,0.45, height 0.8
LED_0603_VISHAY_VLMS1300-GS08_RED_1A2K_H0P8 [mm]
  rect 0.8x0.8 smd mask+0.05: 1(-0.75,0) 2(0.75,0)
  silkscreen extent -0.85,-0.53 1.28,0.53, body extent -0.85,-0.45 0.85,0.45, height 0.8
LED_BI-GR_HSMF-A201-A00J1 [mm]
  rect 1.1x1.5 smd mask+0.05: 1(-0.75,-1.5) 2(-0.75,1.5) 3(0.75,1.5) 4(0.75,-1.5)
  silkscreen extent -1.65,-1.85 1.65,1.85, body extent -1.5,-1.85 1.5,1.85, height 2.1
LED_EVERLUCK_CWC12100_WHITE_1A2K [mm] "BOTTOM PLACE"
  rect 1.3x2.7 smd mask+0.05: 1(1.5,0)
  rect 2.7x2.7 smd mask+0.05: 2(-0.8,0)
  silkscreen extent -2.22,-1.63 1.65,1.62, body extent -1.75,-1.5 1.75,1.5, height 2.5
LIGHT_10MM-SQUARE-LIGHT-BAR_LUMEX_LPB-S01110101S-110945 [mm]
  round 0 hole 1.6 slot 3.8 at 90 deg unplated mask+0.05: NPTH1(-4.18,0) NPTH2(4.18,0)
  silkscreen extent -5.08,-5.08 5.08,5.08, body extent -5.08,-5.08 5.08,5.08, height 10.3
LOGO_CE [mm]
  silkscreen extent -1.61,-1.37 1.85,1.07
LOGO_MAIN_1 [mm]
  silkscreen extent -3.36,-2.51 3.52,3.76
LOGO_ROHS [mm]
  silkscreen extent -4.63,-3.03 4.87,2.98
LOGO_ST [mm]
  silkscreen extent -6.18,-2.95 5.25,3.14
MOS_POWERFLAT_2X2_P065 [mm] "MCD-01028  PowerFLAT, 6-Leads, Body 2.1x2.1mm"
  rect 0.35x0.3 smd mask+0.038: 1(-0.65,-0.875) 2(0,-0.875)
  rect 0.35x0.3 smd mask+0.05: 3(0.65,-0.875) 4(0.65,0.875) 5(0,0.875) 6(-0.65,0.875)
  rect 0.35x0.95 smd mask+0.05: 7(0.65,0.05)
  rect 1.05x1.125 smd mask+0.038: 8(-0.3,-0.012)
  silkscreen extent -1.2,-1.2 1.05,1.05, body extent -1.05,-1.05 1.05,1.05, height 0.81
MOS_POWERFLAT_3P3X3P3_P065 [mm]
  rect 0.4x0.75 smd mask+0.05: 1(-0.975,-1.525) 2(-0.325,-1.525) 3(0.325,-1.525) 4(0.975,-1.525) 6(0.325,1.525) 7(-0.325,1.525)
  rect 0.45x0.75 smd mask+0.05: 5(1,1.525) 8(-1,1.525)
  Top Layer region: -1.755,0.2 -1.755,-0.2 -1.225,-0.2 -1.225,-0.5 1.225,-0.5 1.225,-0.2 1.755,-0.2 1.755,0.2 1.225,0.2 1.225,1.9 -1.225,1.9 -1.225,0.2
  silkscreen extent -1.63,-1.55 1.63,1.55, body extent -1.75,-1.75 1.75,1.75, height 0.91
MOS_SOT23 [mm]
  rect 1x1.4 smd mask+0.05: 1(-0.95,-1.1) 2(0.95,-1.1) 3(0,1.1)
  silkscreen extent -1.63,-0.82 1.63,0.82, body extent -1.56,-1.25 1.56,1.25, height 1.1
MOS_SOT23-5L [mm]
  rect 0.6x1.3 smd mask+0.05: 1(-0.95,-1.1) 2(0,-1.1) 3(0.95,-1.1) 4(0.95,1.1) 5(-0.95,1.1)
  silkscreen extent -1.6,-0.95 1.6,0.97, body extent -1.52,-1.25 1.52,1.25, height 1.45
MOS_SOT23-6L [mm]
  rect 0.6x1.2 smd mask+0.05: 1(-0.95,-1.15) 2(0,-1.15) 3(0.95,-1.15) 4(0.95,1.15) 5(0,1.15) 6(-0.95,1.15)
  silkscreen extent -1.53,-0.87 1.53,0.87, body extent -1.52,-1.5 1.52,1.5, height 1.3
NPN_SOT23 [mm]
  rect 1x1.4 smd mask+0.05: 1(-0.95,-1.1) 2(0.95,-1.1) 3(0,1.1)
  silkscreen extent -1.63,-0.82 1.63,0.82, body extent -1.56,-1.25 1.56,1.25, height 1.1
NPTH_350 [mm]
  round 0 hole 3.5 unplated mask+0.05: 1(0,0)
  silkscreen extent -2,-2 2,2
OSC_NDK_NZ2520SB_4P [mm]
  rect 1x1 smd mask+0.05: 1(-0.825,-0.625) 2(0.825,-0.625) 3(0.825,0.625) 4(-0.825,0.625)
  silkscreen extent -1.43,-1.22 1.2,1.05, body extent -1,-0.77 -0.6,-0.38, height 0.91
PHO_SENBAN_GL55XX [mm]
  round 1.5 hole 0.9 mask+0.05: 1(-1.7,0) 2(1.7,0)
  silkscreen extent -2.6,-2.25 2.6,2.25, body extent -2.58,-1.3 2.58,1.3, height 5.21
POT_BOURNS_3314J-1 [mm]
  rect 1.3x2 smd mask+0.05: 1(1.15,-2) 3(-1.15,-2)
  rect 2x2 smd mask+0.05: 2(0,2)
  silkscreen extent -2.5,-3 2.5,2.25, body extent -2.5,-2.5 2.5,2.5, height 2.73
POT_BOURNS_3386P [mm]
  rect 1.7x1.7 hole 0.8 mask+0.05: 1(-2.54,0.02)
  round 1.7 hole 0.8 mask+0.05: 2(0,-2.52) 3(2.54,0.02)
  silkscreen extent -4.8,-4.8 4.8,4.8, body extent -4.8,-4.8 4.8,4.81, height 4.96
PTC_BEL-FUSE_1812_0ZCG0260FF2C [mm]
  rect 2.4x3.5 smd mask+0.05: 1(-2.3,0) 2(2.3,0)
  silkscreen extent -1,-1.73 1,1.73, body extent -2.36,-1.71 2.36,1.71, height 1.2
PTH_350_700 [mm]
  round 7 hole 3.5 mask+0.05: 1(0,0)
  silkscreen extent -3.75,-3.75 3.75,3.75
R0402 [mm]
  rect 0.51x0.7 smd mask+0.05: 1(-0.45,0) 2(0.45,0)
  silkscreen extent -0.72,-0.43 0.72,0.43, body extent -0.52,-0.3 0.52,0.3, height 0.4
R0603 [mm]
  rect 0.64x1 smd mask+0.05: 1(-0.7,0) 2(0.7,0)
  silkscreen extent -1.05,-0.58 1.05,0.58, body extent -0.9,-0.5 0.9,0.5, height 0.56
R0805 [mm]
  rect 0.85x1.3 smd mask+0.05: 1(-0.875,0) 2(0.875,0)
  silkscreen extent -0.33,-0.67 0.33,0.67, body extent -1.05,-0.68 1.05,0.68, height 0.65
R1206_H0P55 [mm]
  rect 1x1.9 smd mask+0.05: 1(-1.3,0) 2(1.3,0)
  silkscreen extent -0.67,-0.85 0.67,0.85, body extent -1.6,-0.85 1.6,0.85, height 0.65
REG_SOT23-5L [mm]
  rect 0.6x1.3 smd mask+0.05: 1(-0.95,-1.1) 2(0,-1.1) 3(0.95,-1.1) 4(0.95,1.1) 5(-0.95,1.1)
  silkscreen extent -1.6,-0.95 1.6,0.97, body extent -1.52,-1.25 1.52,1.25, height 1.1
SOLDER-BRIDGE_R0603-0R [mil]
  round 10 smd paste-393.7: 1(-19.68,0) 2(23.62,0)
  Top Layer region: -5.91,19.68 13.78,0 -5.91,-19.69 47.24,-19.69 47.24,19.68 -5.91,19.68
  Top Layer region: -47.24,-19.69 -47.24,19.68 -15.75,19.68 3.94,0 -15.75,-19.69 -47.24,-19.69
  silkscreen extent -50,-23 50,23, body extent -36,-20 36,20, height 22
STICKER_25X9 [mm] "Sticker 25mm x 9mm"
  silkscreen extent -12.5,-4.5 12.5,4.5
SWI_C&K_KSC721GLFS_BLUE [mm] "BLUE"
  rect 3.1x1 smd mask+0.05: 1(-4.45,2) 2(4.45,2) 3(-4.45,-2) 4(4.45,-2)
  silkscreen extent -3.25,-3.25 3.25,3.25, body extent -5,-3.25 5,3.25, height 2.9
SWI_DHS-ELECTRONICS_MS-22D16_2P2T [mm]
  round 1.6 hole 1 mask+0.05: 1(-2.5,-1.7) 2(0,-1.7) 3(2.5,-1.7) 4(-2.5,1.7) 5(0,1.7) 6(2.5,1.7)
  silkscreen extent -4.55,-2.5 4.55,1.8, body extent -4.55,-1.9 4.55,1.9, height 7.5
SWI_DHS-ELECTRONICS_SS42D02_4P2T [mm]
  round 1.4 hole 0.8 mask+0.05: 1(-5,-1.25) 2(-3,-1.25) 3(-1,-1.25) 4(1,-1.25) 5(3,-1.25) 6(5,-1.25) 7(1,1.25) 8(3,1.25) 9(5,1.25) 10(-5,1.25) 11(-3,1.25) 12(-1,1.25)
  round 2 hole 1.4 mask+0.05: PTH1(-6.5,3.25) PTH2(6.5,-3.25)
  silkscreen extent -7.35,-4.3 7.35,3.45, body extent -7.35,-3.45 7.35,3.45, height 11.8
SWI_EAO_09-03290-01_EXTENDED_STRAIGHT_BLACK [mm]
  rect 1.7x1.7 hole 0.9 mask+0.05: 1(0,0)
  round 1.7 hole 0.9 mask+0.05: 2(0,-2.54) 3(0,2.54)
  silkscreen extent -1.25,-5 1.25,5, body extent -1.25,-5 1.25,5, height 7.9
SWI_WEALTHMETAL_TD-0341_4P_BLACK [mm]
  rect 1.52x2.16 smd mask+0.05: 1(-2.25,-4.75) 2(-2.25,4.75) 3(2.25,-4.75) 4(2.25,4.75)
  silkscreen extent -3,-3.5 3,3.5, body extent -3,-5.15 3,5.15, height 7.55
SWI_XIEJIA_MT-008A_6P [mm]
  rect 1.8x1.1 smd mask+0.05: 1(-3.1,1.4) 2(-3.1,0) 3(-3.1,-1.4) 4(3.1,1.4) 5(3.1,0) 6(3.1,-1.4)
  rect 2.2x1.4 smd mask+0.05: 7(0,3.75) 8(0,-3.75)
  round 0 hole 0.8 unplated paste-10 mask+0.05: NPTH1(0,1.9)
  round 0 hole 1.1 unplated paste-10 mask+0.05: NPTH2(0,-1.9)
  silkscreen extent -3.7,-3.7 3.7,3.7, body extent -3.85,-3.75 3.85,3.75, height 5.2
TP_SMD_1MM [mm]
  round 1 smd paste-10 mask+0.05: 1(0,0)
  silkscreen extent -0.7,-0.7 0.7,0.7

## Part data
B1: library part MCD-00132, "Joystick, 4 dir, 1 OK"
B2: library part MCD-00176, "Switch HW BLUE High4.3mm 2.25 Newtons"
B3: library part MCD-00001, "Non-Open Push-Button 0.1A 24V BLACK"
C1 C16 C49: library part MCD-00198, "Capacitor, MLCC, 1nF, 16V, X7R, 10%, 0402, T=0.5mm"